# KiCad board FrontEnd_5G.kicad_pcb (continued)
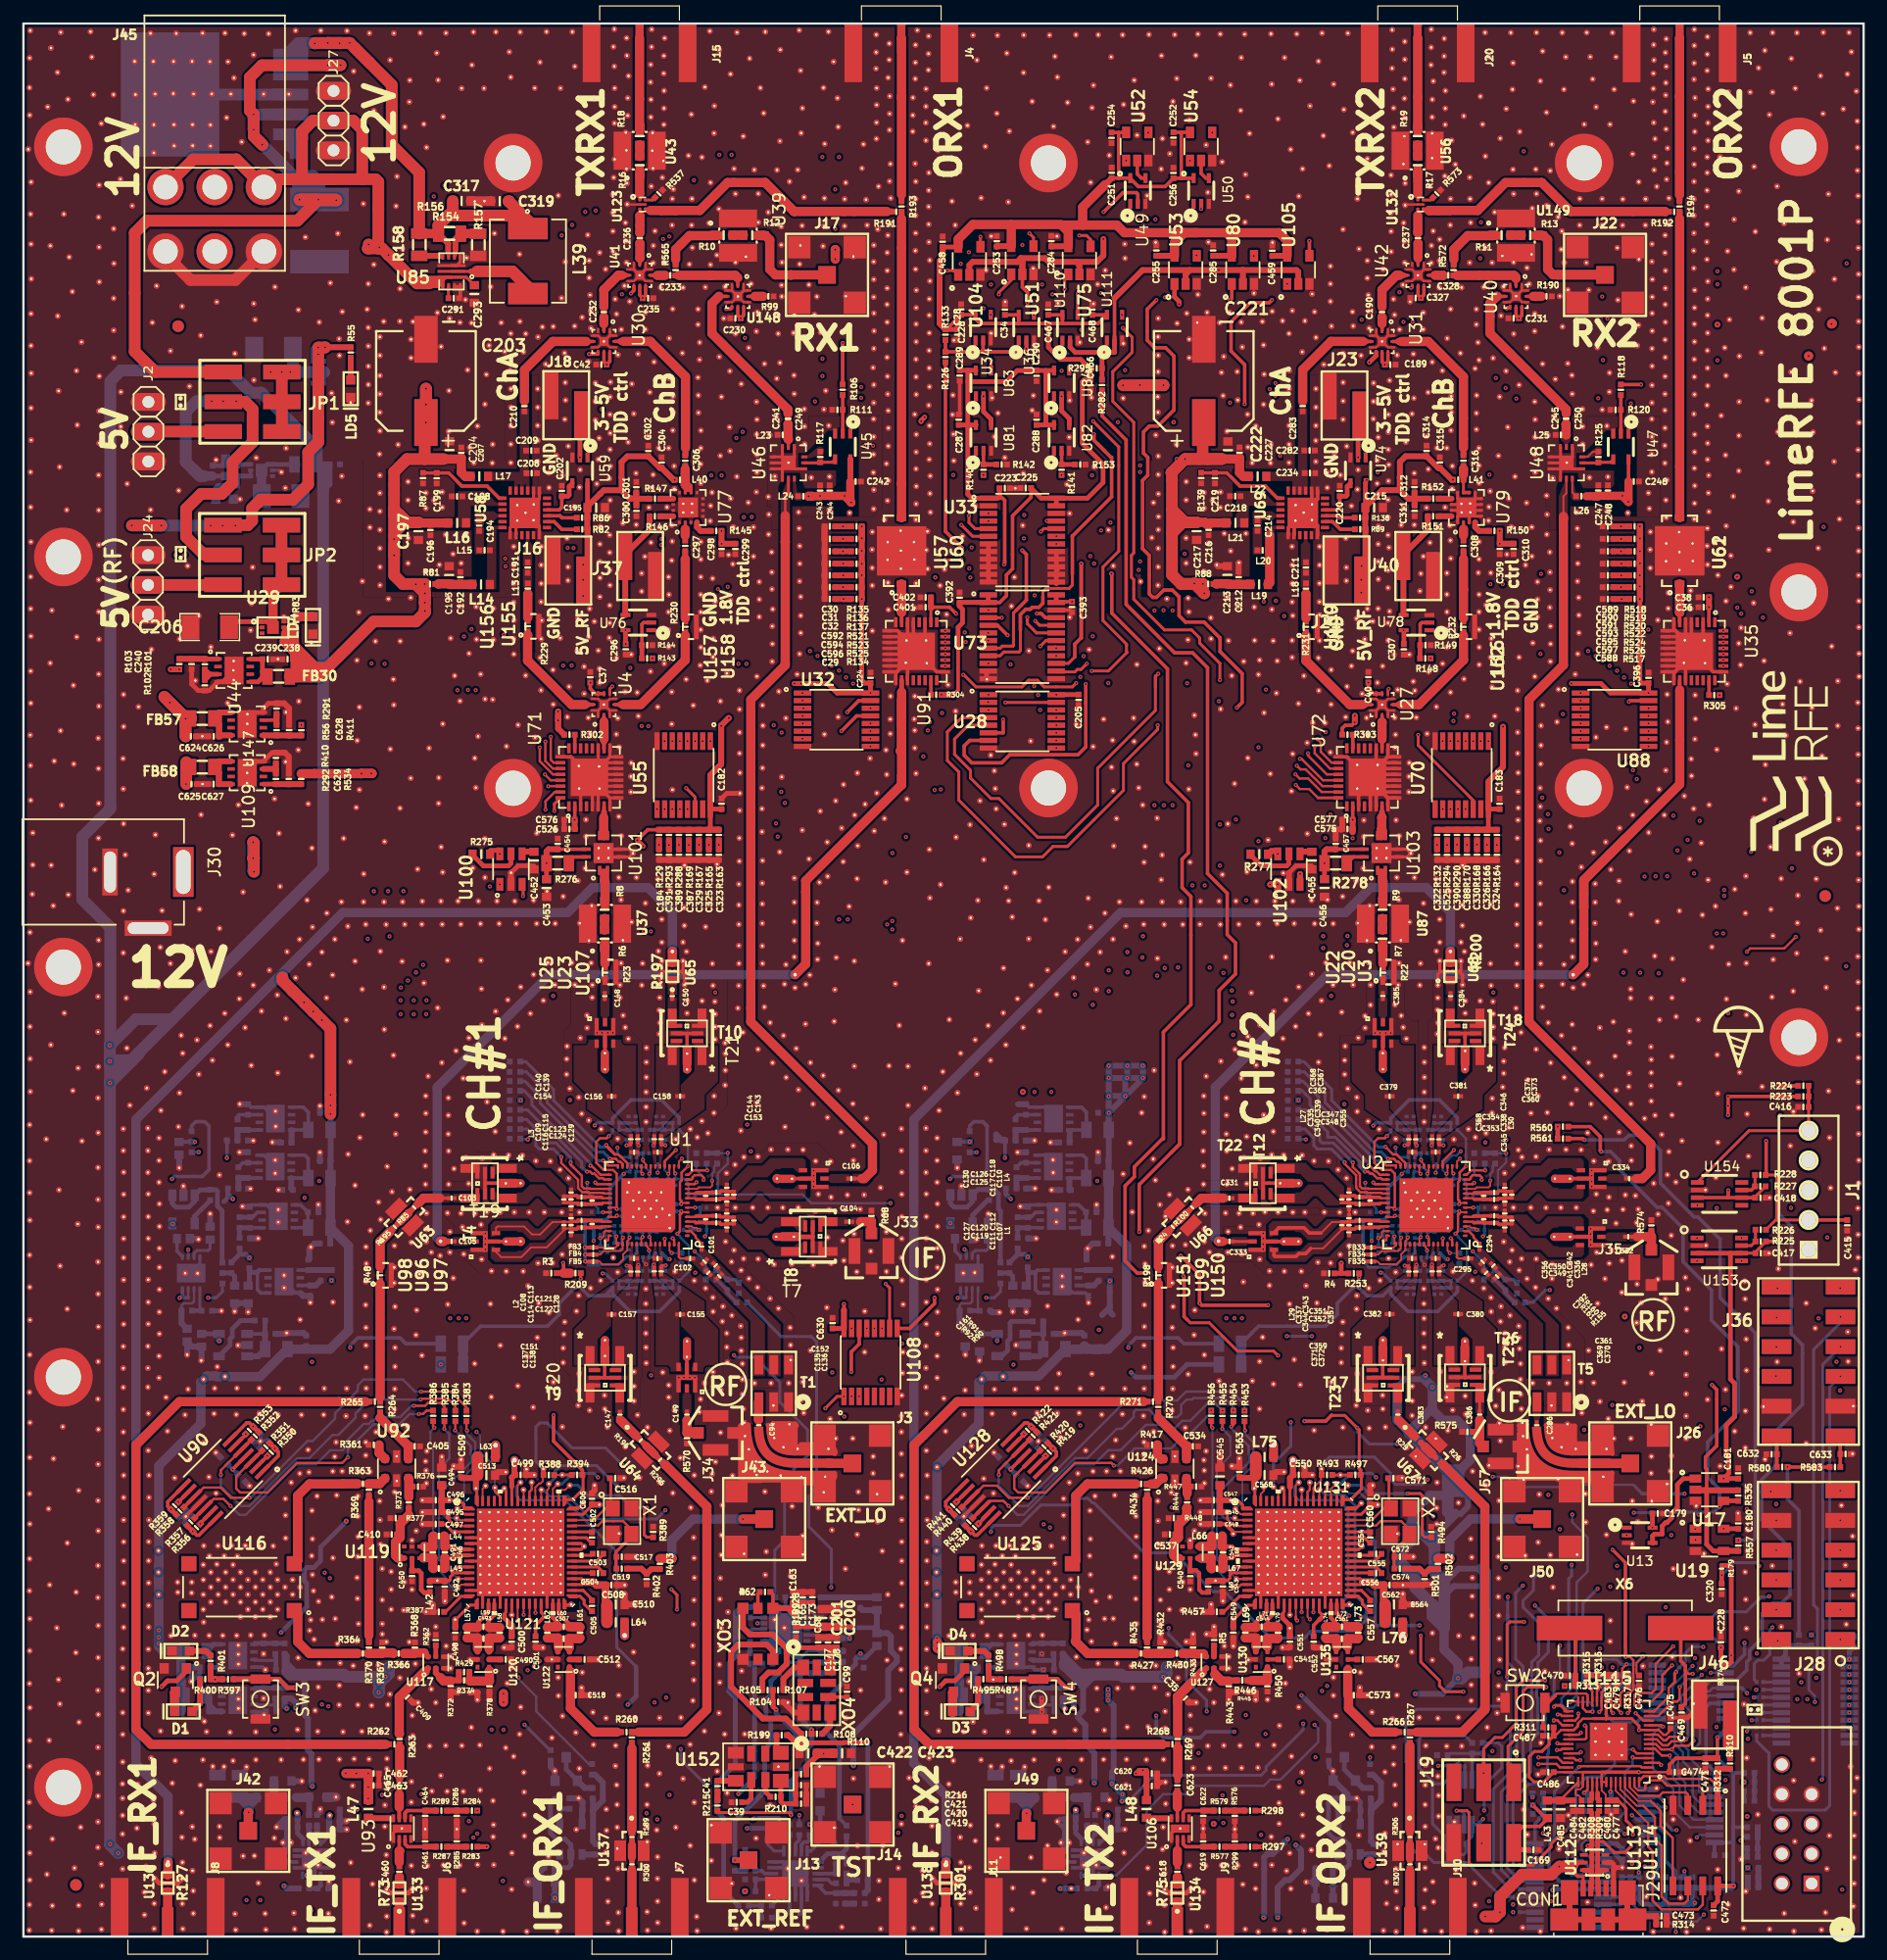
[diagram p0: board, top side]
## Routing (per net, layer and track width the routed paths; a pad name or vN(x,y) marks a point on that pad's centre or on a via; arc(x,y) is an arc through that point) (continued)
  B2.RO w0.5: 88.85,7.57 89.29,8.01 ; 89.29,8.01 89.03,7.75 88.85,7.75 ; 89.29,8.01 88.95,8.35 ; 88.85,7.75 C582.1 ; 88.85,7.75 88.59,8.01 88.95,8.37 ; 88.95,8.35 88.85,8.25 ; 88.95,8.35 C569.2 ; C615.2 90.77,58.62 91.3,59.15 C447.2 ; C451.2 91.64,61.84 91.64,62.46 ; C535.2 85.8,59.58 86.48,59.58 ; R242.2 85.76,62.31 85.12,62.31 ; C612.2 88.83,51.43 88.91,51.51 90.38,51.51 C609.2 ; C610.1 80.42,49.66 80.43,49.65 ; C614.2 81.65,49.17 81.63,49.15 ; 79.74,65.6 79.73,65.61 C617.2 ; C448.2 91.76,66.2 91.76,66.93 ; C606.2 85.63,63.85 86.38,63.85 ; 82.56,53.4 R558.2 82.56,53.4 ; 82.56,53.4 82.69,53.27 83.35,53.27 ; R246.2 85.61,66.93 84.89,66.93 ; R431.2 113.07,12.14 111.9,13.31 Q3.2 ; R492.2 89.36,13.26 90.22,13.26 ; 81.16,22.35 81.15,22.34 81.15,22.21 ; 81.15,22.21 80.77,21.83 80.77,21.77 ; 81.15,22.21 81.15,21.56 ; 81.15,21.56 80.94,21.77 80.77,21.77 ; 81.15,21.56 80.98,21.56 80.77,21.77 ; 81.09,18.33 81.07,18.35 81.07,18.62 ; 19.31,38.46 19.29,38.46 C397.1 ; 16.43,41.3 16.44,41.3 C398.1 ; Q1.2 45.38,13.32 45.38,14.14 45.02,14.5 R381.2 ; 22.51,9.33 22.51,8.36 ; 22.51,8.36 22.41,8.26 ; 22.51,8.36 22.85,8.02 ; 22.41,7.76 22.15,8.02 22.51,8.38 ; 22.41,7.76 C524.1 ; 22.41,7.76 22.59,7.76 22.85,8.02 ; 22.85,8.02 22.41,7.58 ; C521.1 27.01,9.84 R391.1 ; C521.1 27.56,9.83 27.61,9.88 ; C521.1 C523.1 27.6,9.14 27.61,9.13 ; 25.35,10.87 25.35,10.66 C515.1 ; C408.1 43.88,5.29 C407.1 ; U118.5 47.7,10.73 C411.1 47.74,11.49 47.41,11.82 47.4,11.81 R375.2 ; C54.2 21.96,67.79 21.25,67.79 ; C52.2 25.32,66.2 25.32,66.92 ; 25.32,70.89 25.33,70.88 C51.2 ; 25.18,62.47 25.19,62.46 C58.2 ; 24.5,54.1 24.5,54.65 R30.2 23.89,54.67 U8.4 ; 18.47,71.05 18.49,71.03 R34.2 ; 19.17,67.95 C62.2 ; 18.45,66.93 18.46,66.94 R36.2 ; 20.05,59.58 20.04,59.59 C61.2 ; R399.1 26.09,4.18 26.09,4.71 ; C63.2 23.94,51.51 22.48,51.51 22.4,51.43 C65.2 ; C53.2 24.85,59.15 24.42,58.72 24.42,57.87 C60.2 ; 13.3,65.6 13.3,66.71 C86.2 ; R395.2 22.91,13.26 23.78,13.26 ; C81.2 14.88,59.57 14.95,59.5 ; U16.2 19.08,50.46 18.32,50.46 ; 15.21,49.18 C66.2 14.41,50.34 C59.1 13.98,49.65 ; 84.75,50.48 84.76,50.49 U145.2 ; 14.37,19.22 C44.2 C412.2 14.96,19.21 ; R113.2 69.93,24.41 R114.2 ; C160.2 72.87,28.95 C176.2 C175.2 C174.1 ; R70.1 C73.1 ; 135.23,22.29 C603.2 ; 135.23,22.29 C602.2 ; 135.23,22.29 136.48,22.29 C605.2 C604.2 ; 147.25,5.02 R57.1 ; 13.66,63.29 13.66,64.05 ; C188.2 C186.2 ; 85.63,53.3 C611.2 ; C96.2 C98.2 ; 88.42,63.71 87.79,63.71 ; C607.2 86.34,67.94 ; R32.2 18.72,62.29 ; 84.48,53.33 C608.2 ; C82.1 15.95,61.69 ; C164.2 C168.2 C166.1 ; C83.2 C56.2 ; 84.93,71.03 R259.2 ; C45.2 C43.2 ; 19.19,53.29 C77.2 C33.2 18.04,53.34 ; 80.1,64.05 U146.2 ; 82.39,61.69 C616.1 ; C48.2 C47.2 ; 87.7,67.77 C489.2 ; 22.48,9.35 C522.2 C520.2 22.29,10.02 21.62,9.35 22.48,9.35
  B2.RO w0.7: C611.2 C608.2
  B2.RO w0.79: 26.55,11.91 25.9,11.91 R396.2 25.96,11.9 25.97,11.91 26.69,11.91 ; C406.1 C407.1 43.12,4.64 43.1,4.66
  B2.RO w1: U86.3 U86.3 ; 25.28,143.23 25.28,143.41
  vias: v2(39.44,60) v2(39.44,59.56) v2(39.44,59.08) v2(39.44,58.64) v2(48.98,77.12) v2(49.41,77.13) v2(49.9,77.12) v2(50.33,77.13) v2(55.97,47.7) v2(56.4,47.71) v2(56.89,47.7) v2(57.32,47.71) v2(67.48,65.37) v2(67.48,64.93) v2(67.48,64.45) v2(67.48,64.01) v2(105.87,60.01) v2(105.87,59.57) v2(105.87,59.09) v2(105.87,58.65) v2(115.41,77.11) v2(115.84,77.12) v2(116.33,77.11) v2(116.76,77.12) v2(133.82,60.4) v2(133.82,59.96) v2(133.82,59.48) v2(133.82,59.04) v2(133.91,65.37) v2(133.91,64.93) v2(133.91,64.45) v2(133.91,64.01)
VBUS_USB: length 1259
  F.RO w0.25: 132.72,5.12 133.16,5.12 133.18,5.1 CON1.1 ; 132.72,5.12 132.53,5.31 132.53,5.98 v2(132.52,5.97) 132.88,6.32 U112.5 ; 132.72,5.12 131.88,5.97 v2(131.15,5.97)
  F.RO w0.3: 132.5,6.32 132.5,6.23 132.5,6.3 132.52,6.32 v2(132.52,5.97) ; 132.5,6.32 131.5,6.32 v2(131.15,5.97) 131.15,6.31 131.14,6.32 U112.5 132.5,6.32
  F.RO w0.4: v2(131.15,5.97) 131.15,5.97 v2(132.52,5.97) ; v2(131.15,5.97) 131.43,6.25 132.13,6.25 132.42,5.97 v2(132.52,5.97) ; v2(131.15,5.97) 131.43,5.69 132.25,5.69 v2(132.52,5.97)
  F.RO w1: 126.09,2.09 v2(126.08,2.09) 126.08,2.09 ; v2(131.15,5.97) 130.47,5.29 127.98,5.29 126.08,3.39 126.08,2.09 ; 126.08,2.09 125.7,1.71 v2(124.83,1.71) ; v2(114.97,6.31) 114.97,6.31
  F.FR4 w0.25: 108.14,8.31 v2(107.95,8.31) ; 55.03,79.31 57.12,79.31 ; 46.69,78.03 47.51,77.21 47.75,77.21 48.49,76.47 ; J29.2 149.56,5.12 145.79,5.12 145.64,4.96 143.69,4.96 142.43,6.23 139.58,6.23 138.23,4.87 137.43,4.87 137.32,4.76 134.9,4.76 133.88,5.78 132.71,5.78 v2(132.52,5.97) 132.51,5.97
  F.FR4 w0.3: 65.74,79.34 65.04,80.04 60.05,80.04 59.27,79.26 57.17,79.26 57.12,79.31 ; 50.74,77.99 48.63,77.99 48.56,78.06 47.34,78.06 46.9,78.5 ; 50.74,77.99 50.76,77.99 ; 50.74,77.99 50.85,78.1 51.6,78.1 52.04,78.54 54.84,78.54 55.35,78.03 56.89,78.03 57.05,78.19 59.89,78.19 60.08,78.38 ; 48.49,76.47 50.66,76.47 51.57,75.56 51.77,75.56 51.77,75.57 52.72,76.52 53.9,76.52 54.4,76.02 54.61,76.23 57.42,76.23 58.14,76.95 ; 58.14,76.95 58.37,77.18 ; 58.14,76.95 58.28,77.09 59.71,77.09 60.32,77.7 62.42,77.7 62.82,77.3 64.16,77.3 64.96,78.1 65.43,78.1 66.25,78.92 ; 53.5,79.51 53.58,79.59 54.75,79.59 55.03,79.31 ; 46.69,78.5 46.69,78.03
  F.FR4 w0.4: 60.08,78.38 62.85,78.38 63.19,78.72 65.12,78.72 65.74,79.34 ; 51.36,72.68 55.04,72.68 ; 46.61,77.95 46.14,77.48 46.14,76.95 ; 46.61,77.95 46.69,78.03 ; 46.61,77.95 46.97,78.31 47.09,78.31 ; J29.1 J29.2
  F.FR4 w0.5: 51.36,72.68 49.16,72.68 47.63,74.21 45.85,74.21 45.78,74.14 ; 55.04,72.68 55.64,73.28 63.82,73.28 65.2,74.66 66.13,74.66 66.91,75.44 68.68,75.44 69.05,75.07 78.76,75.07 79.32,74.51 81.67,74.51 82.79,73.39 87.6,73.39 89.54,75.33 96.43,75.33 ; 96.43,75.33 97.83,75.33 ; 96.43,75.33 97.83,75.33 ; 57.52,74.67 55.81,74.67 55.12,73.98 52.25,73.98 51.55,74.68 48.68,74.68 46.41,76.95 45.69,76.95 43.22,74.48 39.9,74.48 39.11,75.27 38.36,75.27 37.22,76.41 36.39,76.41 35.91,75.93 34.77,75.93 ; 57.52,74.67 57.5,74.67 ; 57.52,74.67 62.99,74.67 64.08,75.76 64.8,75.76 65.45,76.41 ; 65.45,76.41 65.46,76.41 ; 65.45,76.41 65.54,76.5 66.45,76.5 66.46,76.51 69.41,76.51 69.81,76.11 80.43,76.11 80.79,75.75 82.7,75.75 83.87,74.58 86.97,74.58 88.63,76.24 95.15,76.24 ; 95.15,76.24 97,76.24 ; 95.15,76.24 97,76.24 ; 121.85,6.95 125.07,6.95 125.72,6.3 130.23,6.3 130.56,5.97 132.51,5.97 ; 114.27,7.01 111.41,7.01 111.01,6.61 109.84,6.61 108.14,8.31 v2(107.95,8.31) ; 103.27,78.65 99.41,78.65 98.39,77.63 ; 103.27,78.65 v2(103.21,78.65) ; 103.27,78.65 103.27,77 v2(103.31,76.96) 99.46,76.96 ; 99.46,76.96 97.83,75.33 ; 99.46,76.96 97.83,75.33 ; 98.39,77.63 97,76.24 ; 98.39,77.63 97,76.24 ; 53.5,79.51 53.3,79.31 47.5,79.31 46.69,78.5 ; v2(103.18,80.74) 97.98,80.74 95.74,78.5 89.04,78.5 88.91,78.63 88.52,78.63
  F.FR4 w0.79: 45.62,74.14 45.78,74.14 45.01,74.14 44.31,73.44 38.62,73.44 37.7,74.36 37.09,74.36 35.7,75.75 35.7,75.93 ; 117.26,7.11 116.46,6.31 v2(116.04,6.31) v2(114.97,6.31) 114.27,7.01 111.41,7.01 111.01,6.61 109.42,6.61 109.07,6.96 109.07,7.43 108.19,8.31 107.96,8.31 ; 117.26,7.11 117.16,7.01 ; 117.26,7.11 119.77,7.11 120.36,6.51 121.41,6.51 121.83,6.94 ; 121.83,6.94 121.85,6.95 ; 121.83,6.94 125.05,6.94 ; 125.05,6.94 125.07,6.95 ; 125.05,6.94 125.08,6.94 125.72,6.3 130.23,6.3 130.56,5.97 131.14,5.97 v2(131.15,5.97) ; v2(107.95,8.31) 108.15,8.31 v2(108.64,7.82) ; 16.08,78.72 18,76.8 21.04,76.8 21.49,76.35 31.5,76.35 32.63,77.48 36.22,77.48 37.66,78.92 39.25,78.92 40.02,78.15 40.02,76.61 40.82,75.81 42.8,75.81 45.49,78.5 46.9,78.5 ; 103.29,79.76 99.12,79.76 96.89,77.53 87.7,77.53 86.81,76.64 85.79,76.64 ; 88.91,78.63 88.52,78.63 87.1,80.05 86.35,80.05 85.34,79.04 84.67,79.04 83.96,79.75 82.14,79.75 81.82,79.43 ; 103.27,77 103.27,78.59 v2(103.21,78.65) 103.21,79.75 v2(103.26,79.8) 103.26,80.66 v2(103.18,80.74) ; 62.41,73.28 62.41,74.6 62.34,74.67 ; 85.58,73.39 85.58,74.29 85.87,74.58 85.79,74.66 85.79,76.64 ; 85.79,76.64 84.84,76.64 83.4,78.08 83.22,78.08 82.38,78.92 82.33,78.92 ; 76.7,75.07 76.7,76.09 76.72,76.11 ; 55.08,73.98 55.08,73.46 55.45,73.09 ; 23.89,3.11 24.57,2.43 v2(24.57,2.22) ; 25.68,3.11 24.79,2.22 v2(24.57,2.22) ; v2(24.57,2.22) v2(24.57,1.6) ; v2(20.23,3.11) v2(19.05,3.11)
  F.FR4 w1: 12.06,72.25 9.61,74.7 v2(7.38,74.7) 7.38,74.72 ; 12.06,72.25 12.06,71.74 12.82,70.98 16.26,70.98 17.79,72.51 23.87,72.51 24.84,73.48 31.21,73.48 33.66,75.93 34.21,75.93 ; 12.06,72.25 11.16,71.35 10.16,71.35 8.65,72.86 v2(7.4,72.86) 7.38,72.88 7.38,74.72 ; 34.21,75.93 35.7,75.93 ; 34.21,75.93 34.21,77.48 34.31,77.48 34.33,77.46 34.33,77.48 ; 25.68,3.11 26.03,3.11 ; 25.68,3.11 18.55,3.11 14.22,7.44 12.7,7.44 11.91,8.23 10.54,8.23 9.44,7.13 8.07,7.13 ; 25.68,3.11 25.72,3.15 30.32,3.15 30.59,2.88 37.69,2.88 38.5,2.07 47.09,2.07 48.97,3.95 49.94,3.95 ; 49.94,3.95 49.62,3.95 ; 49.94,3.95 56.21,3.95 57.02,3.14 58.15,3.14 59.31,1.98 74.95,1.98 75.22,1.71 80.53,1.71 81.28,0.96 84.37,0.96 84.96,1.55 86.92,1.55 ; 86.92,1.55 86.97,1.55 ; 86.92,1.55 94.68,1.55 95.33,2.2 96.56,2.2 97.3,1.46 100.07,1.46 100.44,1.83 103.74,1.83 103.99,1.58 105.77,1.58 ; 105.77,1.58 105.86,1.58 105.87,1.59 ; 105.77,1.58 112.9,1.58 ; 115.27,1.45 115.14,1.58 112.9,1.58 ; 112.9,1.58 116.53,1.58 116.66,1.45 122.8,1.45 123.06,1.71 125.71,1.71 ; 125.71,1.71 v2(126.08,2.09) ; 125.71,1.71 v2(126.08,2.09) ; 125.71,1.71 v2(124.83,1.71) ; v2(126.08,2.09) 126.09,2.09 ; v2(131.15,5.97) 131.15,5.97 132.51,5.97 ; 8.07,7.13 v2(8.09,7.13) ; 8.07,7.13 7.4,7.8 v2(7.4,7.9) ; 16.08,78.72 10.04,78.72 7.36,76.04 ; 68.11,79.43 67.11,79.43 67,79.32 65.72,79.32 ; 68.11,79.43 68.11,76.59 68.19,76.51 68.19,75.71 67.92,75.44 ; 68.11,79.43 76.42,79.43 ; 82.33,78.92 81.82,79.43 76.42,79.43 ; 44.14,76.02 44.14,75.4 ; 44.14,76.02 43.58,76.59 ; 44.14,76.02 44.84,75.32 44.84,73.97 ; 51.36,72.68 51.36,74.49 51.55,74.68 51.55,75.34 51.77,75.56 ; 7.36,76.04 7.38,76.03 7.38,74.72 ; 7.36,76.04 v2(7.38,76.06) ; 88.66,77.53 88.66,78.52 88.77,78.63 ; 76.42,79.43 76.42,76.41 76.72,76.11 ; 114.97,6.31 v2(114.97,6.31) ; v2(105.9,1.62) v2(107.1,1.62)
  B.FR4 w0.3: 19.57,33.87 19.57,32.72 21.61,32.72 ; 17.97,34.09 18.32,33.74 18.32,33.25 19.16,32.41 ; 22.51,31.82 22.55,31.82
  B.FR4 w0.4: 22.97,24.58 23.05,24.66 ; 16.11,26.71 15.64,26.24 15.09,26.24 ; 13.77,27.56 13.77,32.76 16.42,35.41 ; 20.42,31.79 21.32,32.69 ; 21.32,32.69 21.35,32.72 ; 21.32,32.69 21.58,32.69 21.61,32.72 ; 24.09,28.49 24.09,29.42 24.19,29.52 24.19,29.85 24.35,30.01 24.35,30.02 24.17,30.2
  B.FR4 w0.5: 122.87,26.5 122.87,31.84 122.78,31.93 122.78,35.07 121.65,36.2 ; 122.87,26.5 123.24,26.13 123.23,26.13 123.03,26.33 ; 122.87,26.5 123.18,26.19 123.18,24.95 122.74,24.51 122.55,24.51 ; 19.57,33.87 18.63,34.81 16.87,34.81 17.59,34.09 17.97,34.09 ; 21.61,32.72 22.51,31.82 ; 22.55,31.82 24.17,30.2 ; 23.76,27.36 24.17,27.77 24.17,28.41 24.09,28.49 ; 23.76,27.36 23.76,24.58 ; 23.76,27.36 22.79,27.36 22.13,26.7 ; 23.76,24.58 23.76,24.72 ; 23.76,24.58 22.97,24.58 ; 23.05,24.66 23.05,26.42 22.77,26.7 22.13,26.7 ; 22.13,26.7 21.56,26.7 21.42,26.56 17.04,26.56 16.89,26.71 16.11,26.71 ; 15.09,26.24 13.77,27.56 ; 19.16,32.41 19.16,31.79 20.42,31.79 ; v2(103.26,79.8) 103.18,79.88 ; v2(103.21,78.65) 103.26,78.7
  B.FR4 w0.79: 119.06,42.35 119.06,42.1 119.09,42.06 117.26,43.9 ; 117.26,43.9 117.26,46.53 113.84,49.95 113.84,52.04 ; 117.26,43.9 121.65,39.51 121.65,34.59 120.49,33.43 120.49,31.4 121.24,30.65 121.24,25.76 117.52,22.04 117.52,22.01 116.03,20.52 116.03,18.63 114.16,16.76 114.16,14.76 110.79,11.39 108.43,11.39 108.16,11.12 108.16,8.52 108.01,8.37 ; 113.84,52.04 113.84,52.42 ; 113.84,52.04 113.84,52.42 ; 113.84,52.42 112.78,53.48 ; 113.84,52.42 112.78,53.48 ; 112.78,53.48 112.78,53.99 110.38,56.39 ; 110.38,56.39 110.36,56.41 ; 110.38,56.39 110.38,56.58 109.78,57.18 109.78,60.22 110.26,60.7 110.26,61.31 ; 110.26,61.31 110.26,61.16 ; 110.26,61.31 110.26,64.24 108.66,65.84 ; 108.66,65.84 108.78,65.72 ; 108.66,65.84 108.42,66.08 108.42,66.97 108.36,67.03 108.36,70.48 106.24,72.6 106.24,74.51 104.83,75.92 104.35,75.92 v2(103.31,76.96) ; v2(103.31,76.96) 103.21,77.06 ; v2(103.31,76.96) 103.21,77.06 ; 103.21,77.06 v2(103.21,78.65) 103.21,78.67 ; 108.01,8.37 v2(107.95,8.31) ; 108.01,8.37 108.09,8.37 v2(108.64,7.82) ; 103.26,78.7 v2(103.26,79.8) ; 103.18,79.88 v2(103.18,80.74) ; 12.85,41.57 14.95,43.67 14.95,44.97 14.39,45.53 13.97,45.53 12.85,46.65 12.85,50.59 14.63,52.37 14.63,55.33 14.94,55.64 15.95,55.64 17,56.69 17,62.77 15.91,63.86 15.91,71.23 14.06,73.08 14.06,73.21 12.36,74.91 10.69,74.91 10.48,74.7 v2(7.38,74.7) ; 12.85,41.57 12.85,40.68 14.36,39.17 14.36,37.46 16.87,34.95 16.87,34.81 16.9,34.78 ; 12.85,41.57 12.62,41.57 11.37,40.32 10.26,40.32 9.81,39.87 9.81,14.91 13.09,11.63 14.16,11.63 15.52,10.27 15.52,6.64 v2(19.05,3.11) ; v2(19.05,3.11) v2(20.23,3.11) ; v2(19.05,3.11) v2(20.23,3.11) ; v2(20.23,3.11) 20.25,3.13 ; 23.76,24.72 24.36,24.12 24.36,20.37 24.15,20.16 24.15,18.42 24.3,18.27 24.3,16.87 23.89,16.87 23.03,16.01 23.03,14.44 20.48,11.89 20.48,9.8 ; 20.48,9.8 20.51,9.77 ; 20.48,9.8 20.48,7.7 21.31,6.87 ; 21.31,6.87 21.32,6.87 ; 21.31,6.87 21.31,3.61 21.79,3.13 23.66,3.13 v2(24.57,2.22) v2(24.57,1.6)
  B.FR4 w1: v2(7.38,74.7) 7.38,74.71 ; v2(7.38,74.7) 7.38,76.21 ; v2(7.38,74.7) 7.38,76.11 ; v2(7.38,74.7) 7.38,76.11 ; v2(7.38,74.7) 7.38,7.84 v2(8.09,7.13) ; v2(7.38,74.7) 7.38,72.88 v2(7.4,72.86) ; 7.38,76.21 v2(7.38,76.06) ; 7.38,76.21 7.38,76.11 ; 121.22,17.5 119.52,17.5 118.26,16.24 118.26,11.06 117.48,10.28 116.12,10.28 114.97,9.13 v2(114.97,6.31) ; 121.22,17.5 121.38,17.5 ; 121.22,17.5 121.65,17.93 121.65,19.09 120.72,20.02 120.72,22.6 122.59,24.47 ; 122.59,24.47 122.59,24.54 ; 122.59,24.47 122.22,24.84 122.16,24.84 121.24,25.76
  B2.RO w0.5: v2(105.9,1.62) 105.95,1.67 105.95,6.78 106.21,7.04 106.68,7.04 v2(107.95,8.31) ; v2(7.38,74.7) 7.97,74.11 8.65,74.11 9.26,74.72 ; v2(107.1,1.62) 107.1,4.19 107.73,4.82 108.12,4.82 109.09,5.79 109.09,7.37 v2(108.64,7.82) ; 25.6,125.09 FB16.1 C71.1 26.14,123.96 25.6,123.42
  B2.RO w0.79: 7.68,133.01 7.42,132.75 ; 7.42,76.1 v2(7.38,76.06)
  B2.RO w1: 25.6,125.09 25.6,91.18 22.85,88.43 ; 22.85,88.43 22.27,87.85 ; 22.85,88.43 12.7,78.28 ; 12.7,78.28 9.6,78.28 v2(7.38,76.06) 7.38,74.79 ; 12.7,78.28 9.84,75.42 ; 7.38,74.79 7.4,74.77 7.4,74.37 ; 7.38,74.79 9.21,74.79 9.84,75.42 ; 7.38,74.79 v2(7.38,74.7) ; 9.84,75.42 9.84,75.3 v2(7.4,72.86) 7.4,73 ; 7.64,132.97 8.33,133.66 17.52,133.66 19.42,131.76 20.31,131.76 25.05,127.02 FB16.1 ; 7.42,132.75 7.42,96.25 5.03,93.86 5.03,88.52 7.42,86.13 7.42,76.1 7.4,76.08 7.4,74.37 ; 7.4,74.37 7.4,73 ; 7.4,73 v2(7.4,7.9) 7.4,7.82 v2(8.09,7.13)
VDD_TXA_#1: length 7.8
  F.RO w0.15: v2(56.16,61.9) 56.25,61.81 U1.6
  F.RO w0.2: v2(55.84,59.98) 56.06,60.2 56.06,61.62
  F.RO w0.25: 56.06,61.62 56.16,61.72 v2(56.16,61.9)
  B2.RO w0.15: v2(56.16,61.9) 56.15,61.91 C15.1
  B2.RO w0.2: v2(55.84,59.98) 56.07,59.75 56.07,59.7 56.81,58.96 56.81,56.76 56.02,55.97
VDD_TXA_#2: length 7.9
  F.RO w0.15: v2(122.6,61.9) 122.69,61.81 U2.6
  F.RO w0.2: v2(122.28,59.98) 122.5,60.2 122.5,61.62
  F.RO w0.25: 122.5,61.62 122.6,61.72 v2(122.6,61.9)
  B2.RO w0.15: v2(122.6,61.9) 122.59,61.91 122.62,61.91 C269.1
  B2.RO w0.2: 122.43,55.94 123.25,56.76 123.25,58.96 122.5,59.71 122.5,59.76 v2(122.28,59.98)
VDD_TXB_#1: length 7.9
  F.RO w0.15: v2(56.16,62.52) 56.25,62.61 U1.8
  F.RO w0.2: v2(56.74,65.74) 56.2,65.2 56.2,64.53 56.06,64.39 56.06,62.9 56.16,62.8
  F.RO w0.25: v2(56.16,62.52) 56.16,62.8
  B2.RO w0.15: v2(56.16,62.52) 56.14,62.5 C17.1
  B2.RO w0.2: 55.99,68.86 56.74,68.11 v2(56.74,65.74)
VDD_TXB_#2: length 7.9
  F.RO w0.15: v2(122.6,62.52) 122.69,62.61 U2.8
  F.RO w0.2: v2(123.18,65.74) 122.64,65.2 122.64,64.53 122.5,64.39 122.5,62.9 122.6,62.8
  F.RO w0.25: v2(122.6,62.52) 122.6,62.8
  B2.RO w0.15: v2(122.6,62.52) 122.58,62.5 C271.1
  B2.RO w0.2: 122.45,68.84 123.18,68.11 v2(123.18,65.74)
VDD_TXC_#1: length 10
  F.RO w0.15: v2(50.66,62.1) 50.55,62.21 U1.36
  F.RO w0.2: v2(49.99,68.32) 49.8,68.13 49.23,68.13 48.92,67.82 48.92,66.04 49.54,65.42 50.35,65.42 50.66,65.11 v2(50.66,62.1)
  B2.RO w0.15: v2(50.66,62.1) 50.67,62.09 C24.1
  B2.RO w0.2: v2(49.99,68.32) 50.31,68.65 R96.2
VDD_TXC_#2: length 10
  F.RO w0.15: v2(117.1,62.1) 116.99,62.21 U2.36
  F.RO w0.2: v2(116.43,68.32) 116.24,68.13 115.67,68.13 115.36,67.82 115.36,66.04 115.98,65.42 116.79,65.42 117.1,65.11 v2(117.1,62.1)
  B2.RO w0.15: v2(117.1,62.1) 117.11,62.09 C278.1
  B2.RO w0.2: v2(116.43,68.32) 116.76,68.65 R185.2
VDD_TXD_#1: length 10.3
  F.RO w0.15: v2(50.68,61.52) 50.57,61.41 U1.38
  B.FR4 w0.2: 50.66,61.52 50.19,61.05 50.19,59.13 ; 49.46,58.37 50.19,59.1
  B.FR4 w0.25: 50.19,59.13 50.19,59.1 49.46,58.37 ; 49.46,56.81 49.46,58.37 ; 49.46,56.81 49.46,58.37 ; 49.46,56.81 v2(49.46,56.59) ; v2(50.68,61.52) 50.66,61.52
  B2.RO w0.15: 50.72,61.48 C26.1
  B2.RO w0.2: v2(50.68,61.52) 50.72,61.48
  B2.RO w0.25: v2(49.46,56.59) 49.69,56.59 R97.2
VDD_TXD_#2: length 7.7
  F.RO w0.15: v2(117.12,61.52) 117.01,61.41 U2.38
  B.FR4 w0.2: 115.9,58.37 116.63,59.1 116.63,61.05
  B.FR4 w0.25: 116.63,61.05 117.1,61.52 v2(117.12,61.52) ; 115.9,58.37 115.9,56.67 v2(115.89,56.66)
  B2.RO w0.15: C280.1 117.16,61.48 v2(117.12,61.52)
  B2.RO w0.25: v2(115.89,56.66) 116.05,56.66 R186.2
(no net): length 0
  B.FR4 w0.25: 112.29,97.18 112.28,97.18 ; 112.28,97.68 112.29,97.68
  B.FR4 w0.3: 88.06,113.92 88.06,113.92
/Clocks/CLK_TST_#1: length 1
  B2.RO w0.4: C170.2 R119.2
/Clocks/EX5_#1: length 4.9
  F.RO w0.2: T1.3 62.79,45.61 C94.2
  F.RO w0.5: 62.77,45.63 62.76,45.62 62.76,43.93
  F.RO w0.79: 62.76,44.13 62.77,44.13 62.77,45.63
/Clocks/EXT_LO_CON_#1: length 10.9
  F.RO w0.25: 64.21,40.55 63.44,41.32 63.44,41.54 62.76,42.22 62.76,43.38
  F.RO w0.3: 70.17,40.39 66.66,40.39 66.5,40.55 64.21,40.55
  F.RO w0.8: 70.17,40.39 68.7,40.39 68.69,40.4
/Clocks/EXT_LO_CON_#2: length 9.6
  F.RO w0.25: 132.92,40.38 132.8,40.5 131.12,40.5 130.76,40.86 130.17,40.86 129.78,41.25 129.78,41.82 129.22,42.38 C286.1
  F.RO w0.8: 132.92,40.38 136.63,40.38
/Clocks/EXTLO_N_#1: length 1.8
  F.RO w0.2: 56.67,57.87 56.09,57.87 55.96,58 U1.56
/Clocks/EXTLO_N_#2: length 1.8
  F.RO w0.2: C295.2 122.52,57.87 122.4,57.99 U2.56
/Clocks/EXTLO_P_#1: length 1.9
  F.RO w0.2: U1.2 U1.2 56.67,60.21 56.98,60.21 57.4,59.79 57.4,59.66 C101.2
/Clocks/EXTLO_P_#2: length 1.7
  F.RO w0.2: C294.2 123.83,59.66 123.83,59.79 123.41,60.21 U2.2
/Clocks/HFPLL_CLK_#1: length 31.9
  F.RO w0.25: v2(68.98,27.22) 68.98,27.23
  B.FR4 w0.25: v2(68.98,29.8) 68.98,29.79 v2(68.98,27.22)
  B2.RO w0.25: v2(68.98,29.8) 68.98,33.08 67.06,35 67.06,37.56 67.73,38.23 67.73,50.75 67.28,51.21 64.7,51.21 C172.1
/Clocks/HFPLL_CLK_#2: length 104.3
  F.FR4 w0.25: v2(107.88,51.25) 107.72,51.41 106.93,51.41 106.39,51.95 99.37,51.95 98.79,51.37 95.35,51.37 95.35,51.42 93.21,53.56 88.46,53.56 87.07,52.17 85.83,52.17 85.83,52.17 78.2,52.17 77.19,53.18 76.16,53.18 75.75,52.77 64.83,52.77 61.5,49.44 60.89,49.44 60.71,49.62 v2(60.67,49.62) ; v2(130.34,55.18) 130.01,55.18 129.47,54.64 129.47,54.53 127.48,52.55 127.23,52.55 126.67,51.99 126.08,51.99 125.56,51.47 124.54,51.47 123.85,52.16 115.4,52.16 114.07,50.83 111.73,50.83 111.31,51.25 v2(110.02,51.25)
  B2.RO w0.25: v2(60.67,49.62) 60.84,49.45 62.45,49.45 64.59,47.31 64.59,45.62 66.95,43.25 66.95,41.06 65.77,39.88 65.77,39 65,38.23 65,33.81 64.16,32.98 R554.1 ; 110.03,51.25 v2(110.02,51.25) v2(107.88,51.25) ; C313.1 128.91,54.12 129.96,55.18 v2(130.34,55.18)
/Clocks/HFPLL_CLK_LMS8_#1: length 6.3
  F.RO w0.2: 54.76,59.12 54.76,59.58 v2(54.76,59.54) 54.76,59.12 ; 54.76,59.12 U1.53 ; 54.76,59.12 U1.53 ; U1.53 U1.53
  F.FR4 w0.2: v2(57.32,58.48) 56.47,58.48 56.07,58.88 55.46,58.88 55.2,59.14 54.87,59.14 54.76,59.25 v2(54.76,59.54)
  B2.RO w0.2: 58.27,56.79 58.27,57.53 v2(57.32,58.48)
/Clocks/HFPLL_CLK_LMS8_#2: length 5.6
  F.RO w0.2: U2.53 v2(121.2,59.58)
  F.FR4 w0.2: v2(123.76,58.48) 122.92,58.48 122.82,58.58 122.82,58.57 122.51,58.88 121.9,58.88 121.81,58.97 121.82,58.96 v2(121.2,59.58)
  B2.RO w0.2: 124.71,56.8 124.71,57.53 v2(123.76,58.48)
/Clocks/J14_SMA_vert_#1: length 23.8
  F.FR4 w0.3: v2(70.8,11.27) 66.97,11.27 65.01,13.23 62.07,13.23 61.02,12.18 v2(61.05,12.18)
  B2.RO w0.25: v2(70.8,11.27) 70.81,11.28 70.81,11.28
  B2.RO w0.4: R123.1 62.53,23.29 ; 62.53,23.29 C170.1 ; 62.53,23.29 62.43,23.19 62.43,13.56 v2(61.05,12.18)
/Clocks/REF_ADF_#1: length 28.4
  B2.RO w0.4: R121.1 61.26,28.13 60.79,27.66 60.79,23.87 60.24,23.32 60.24,20.91 60.79,20.36 60.79,14.68 59.17,13.06 59.17,10.73 59.79,10.11 59.79,4.67 59.79,4.67 59.79,3.89 C89.1
/Clocks/SMA_IN1_#1: length 21.4
  F.RO w0.5: J13.1 60.75,6.52 v2(60.75,6.52)
  B2.RO w0.4: 61.75,10.87 62.98,12.09 62.55,11.67 ; 62.55,11.67 60.75,9.87 v2(60.75,6.52) ; 62.55,11.67 63.3,12.42 63.3,15.99 63.82,16.51 63.82,18.35 63.4,18.77 63.4,20.21 63.82,20.63 63.82,21.8 R80.2
/Clocks/V_CTRL_#1: length 25.4
  F.RO w0.4: v2(64.27,19.37) 63.99,19.65 R104.2 R105.1 ; v2(72.11,16.56) 70.05,16.56 70.03,16.54 65.96,16.54 v2(65.93,16.57)
  F.RO w0.5: v2(65.93,16.57) 65.31,17.19 R199.2
  B2.RO w0.4: 72.11,6.26 v2(72.11,16.56) ; v2(65.93,16.57) 65.93,17.39 64.77,18.55 64.77,18.55 64.27,19.05 v2(64.27,19.37)
  B2.RO w0.5: 72.11,6.26 72.11,4.83 C69.1 72.1,3.96 R63.2
/Clocks/VCXO_OUT_#1: length 21.1
  F.RO w0.25: v2(65.54,10.38) 65.52,10.4 65.52,10.58 59.41,10.58 R215.2
  F.RO w0.4: R108.2 v2(67.3,17.64)
  B2.RO w0.4: 66.7,18.24 66.67,18.27 ; 66.7,18.24 v2(67.3,17.64) 67.3,16.4 66.95,16.05 66.95,14.69 65.54,13.28 v2(65.54,10.38) ; 66.7,18.24 66.34,18.6 66.34,22.46 C100.2
  B2.RO w0.5: R80.1 C100.2
/Clocks/VCXO_PWR_FILTER_#1: length 31.9
  F.RO w0.4: v2(70.79,26.36) 70.71,26.44 C200.1 ; C201.1 R109.2
  F.RO w0.5: v2(68.32,15.61) 68.3,15.63 C422.1 67.76,15.42 66.85,14.51 R216.2
  F.RO w0.7: C201.1 C200.1
  F.RO w0.79: C423.1 67.77,15.64 C422.1
  F.FR4 w0.5: v2(70.87,14.59) 69.85,15.61 v2(68.32,15.61)
  B2.RO w0.4: 72.88,26.34 72.89,26.34 72.89,26.35 72.88,26.36 v2(70.79,26.36) R115.2
  B2.RO w0.5: R116.2 71.64,27.86 C160.1 FB29.2 73.78,25.9 74.07,25.61 74.07,24.38 74.58,23.87 74.58,23.47 73.84,22.73 73.84,20.24 70.87,17.27 v2(70.87,14.59)
/DATA1: length 110
  F.RO w0.25: v2(145.28,45) 145.3,45
  F.RO w0.3: v2(70.69,48.2) 70.69,49.9 71.36,50.57 U108.14
  F.FR4 w0.25: v2(145.28,45) 142.35,45 140.89,46.46 129.98,46.46 129.13,45.61 127.37,45.61 127.07,45.91 124.86,45.91 124.45,45.5 121.65,45.5 121.23,45.07 120.75,45.07
  F.FR4 w0.3: 99.89,50.12 99.47,49.71 83.01,49.71 82.03,48.72 82.03,48.69 81.67,48.34 78.29,48.34 77.42,49.21 73.7,49.21 72.69,48.2 v2(70.69,48.2) ; 99.89,50.12 99.95,50.19 ; 99.89,50.12 100.1,50.34 108.92,50.34 110.9,48.36 110.9,47.09 112,45.99 114.74,45.99 115.09,45.64 117.22,45.64 117.93,46.34 119.43,46.34 ; 119.43,46.34 119.44,46.34 ; 119.43,46.34 119.47,46.34 120.75,45.07
  B.FR4 w0.25: 144.15,40.34 145.13,41.32 145.13,44.86 145.28,45.01 v2(145.28,45)
  B.FR4 w0.3: v2(146.96,25.06) 146.41,25.62 146.41,32.5 145.95,32.97 145.95,33.27 145.77,33.45 145.77,34.19 145.95,34.37 145.95,35.34 145.61,35.68 145.61,37.34 144.15,38.8 144.15,40.34
  B2.RO w0.3: U12.9 146.05,23.17 146.96,24.08 v2(146.96,25.06)
/DATA2: length 68.9
  F.RO w0.3: v1(88.19,104.68) 88.2,104.68 U28.14 ; 77.8,54.52 v2(77.8,54.5) 77.8,54.03 75.68,51.9 U108.9
  B.FR4 w0.3: v1(88.19,104.68) 93.33,104.68 94.02,103.99 94.02,90.42 87.57,83.97 86.27,83.97 76.26,73.97 76.26,57.41 76.48,57.19 76.48,55.83 v2(77.8,54.5)
/LMS8001_RF/BP_AMP1_3V3: length 70.9
  F.RO w0.4: 38.77,7.69 39.58,7.69 v2(39.56,7.67) R283.2 38.77,7.69
  F.FR4 w0.25: v2(39.56,7.67) 46.95,7.67 49.28,10 v2(54.12,10)
  B.FR4 w0.25: v2(54.12,10) 54.12,12.4 60.63,18.91 60.63,22.79 59.8,23.62 59.8,24.19 60.63,25.02 60.63,25.59 60.61,25.59 60.61,26.27 59.59,27.29 59.59,28.04 60.29,28.74 60.29,36.06 62.86,38.63 64.99,38.63
  B.FR4 w0.3: 64.99,38.63 65.51,39.15 65.51,42.26 66.22,42.97 66.22,44.12 65.83,44.51 65.83,46.06 65.95,46.18 65.95,47.88 66.4,48.33 66.4,50.58 67.72,51.9 v2(70.71,51.9)
  B2.RO w0.25: v2(70.71,51.9) 70.72,51.9
/LMS8001_RF/BP_AMP2_3V3: length 73
  F.RO w0.2: R297.2 v2(105.71,7.67)
  F.RO w0.4: R297.2 v2(105.71,7.67)
  F.FR4 w0.25: v2(74.7,8.86) 76.74,8.86 77.95,7.65 80.19,7.65 81.88,5.96 86.75,5.96 87.43,6.64 91.97,6.64 92.15,6.46 95.45,6.46 95.77,6.78 104.82,6.78 v2(105.71,7.67)
  B.FR4 w0.25: v2(74.7,8.86) 73,10.56 73,31.93 71.97,32.96 71.97,44.44 70.71,45.69 v2(70.71,46.1)
  B2.RO w0.25: 70.72,46.1 v2(70.71,46.1)
  B2.RO w0.3: v2(105.71,7.67) 105.72,7.67
/LMS8001_RF/IN_A2_#1: length 1.3
  F.RO w0.3: C119.1 59.56,60.78 60,60.78 C107.1 L1.2
/LMS8001_RF/IN_A2_#2: length 1.3
  F.RO w0.3: C349.1 125.99,60.78 126.43,60.78 C336.1 L28.2
/LMS8001_RF/IN_A3_#1: length 1.3
  F.RO w0.3: L1.1 C107.2 60.02,61.43 59.52,61.43 C120.1
/LMS8001_RF/IN_A3_#2: length 1.3
  F.RO w0.3: L28.1 C336.2 126.45,61.43 125.95,61.43 C350.1
